# Allegro board 6089-103-RevA_73.brd (continued)
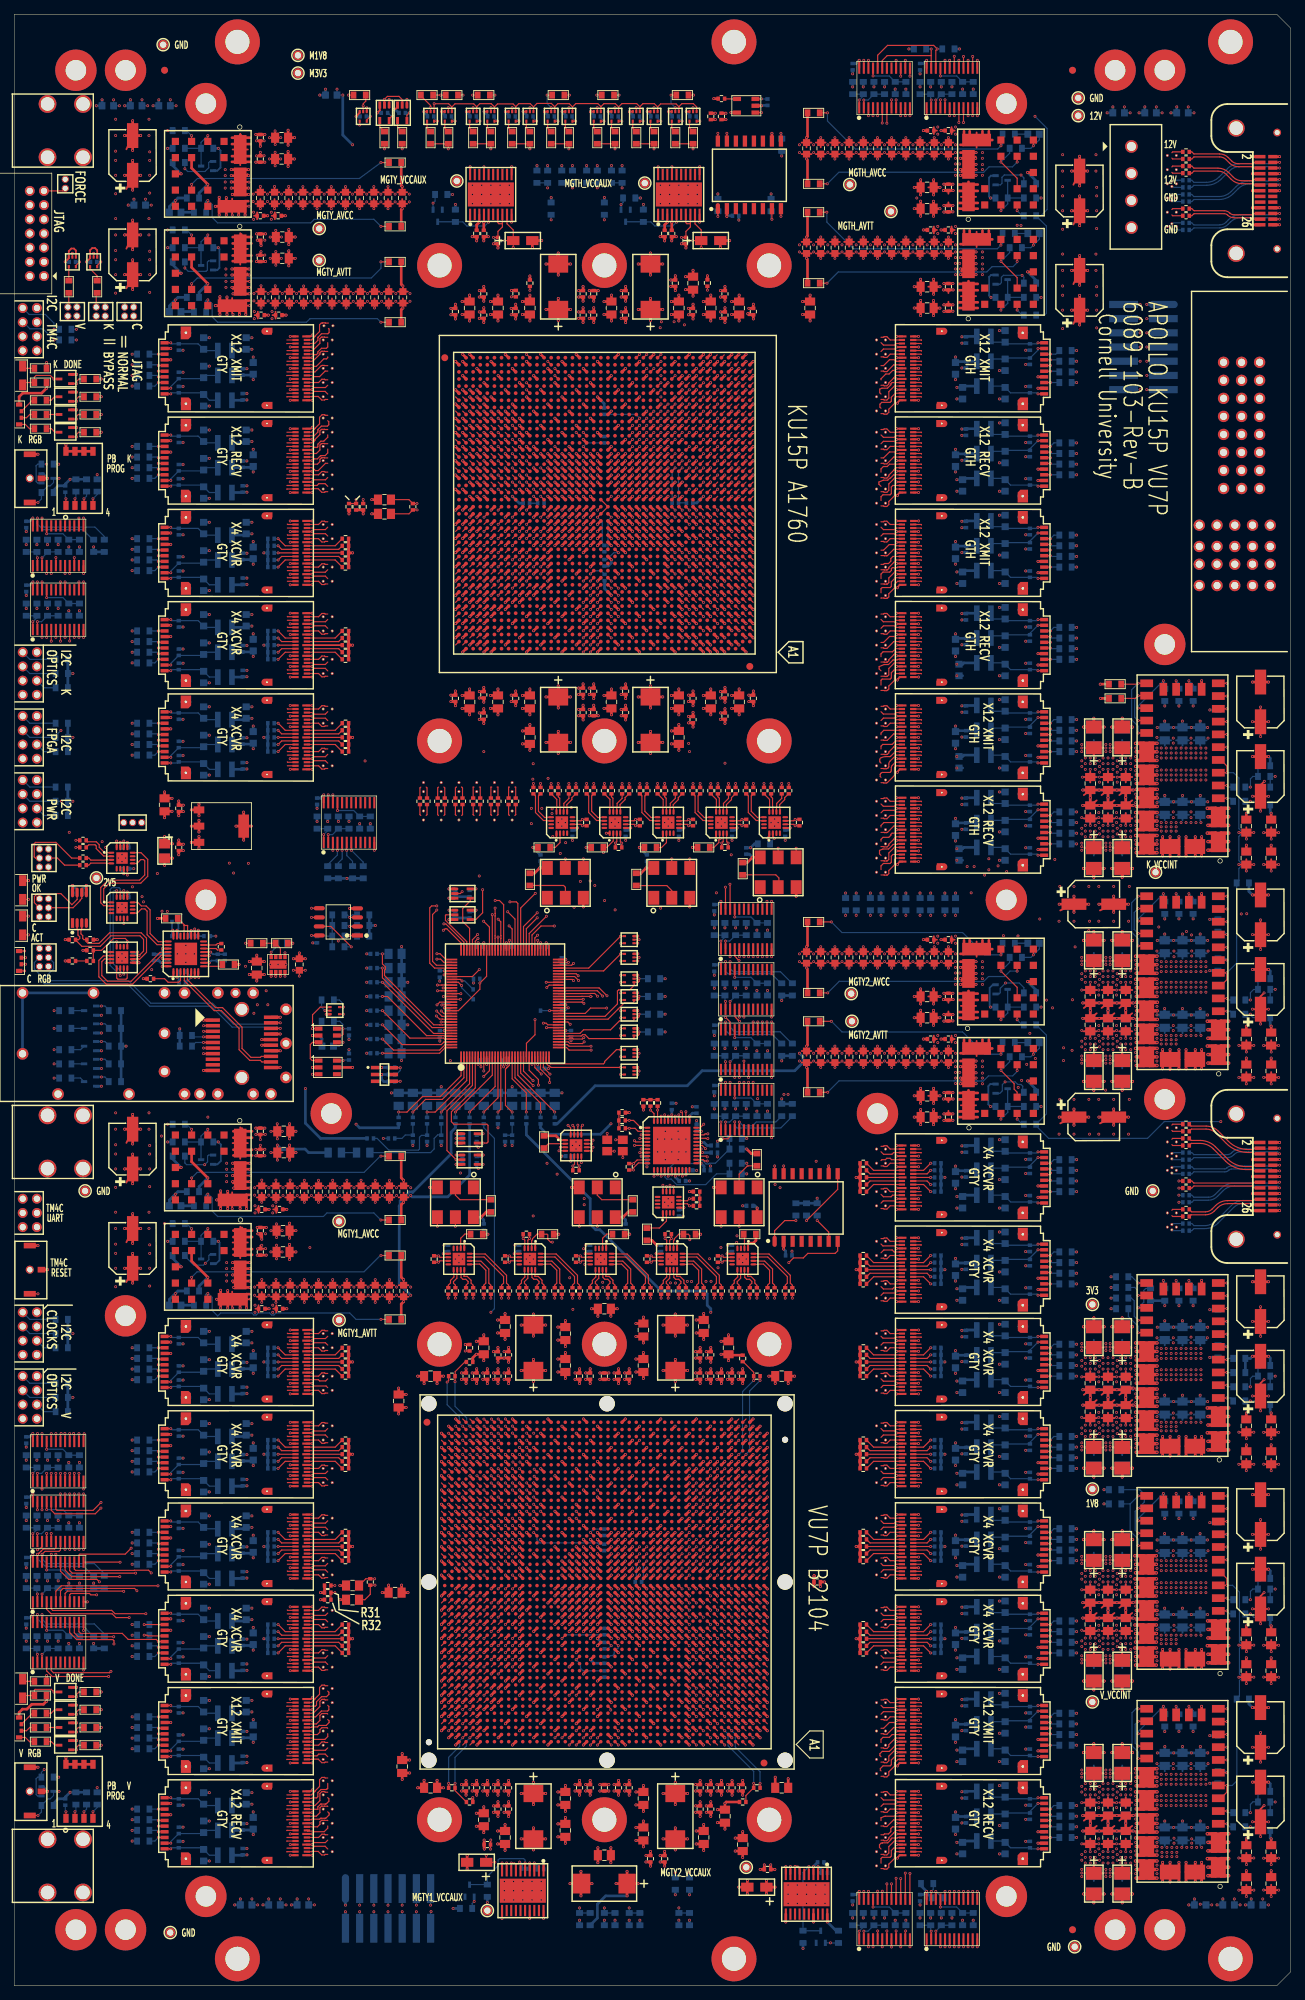
[diagram p0: board, top side]
## Routing (per net, layer and track width the routed paths; a pad name or vN(x,y) marks a point on that pad's centre or on a via; arc(x,y) is an arc through that point) (continued)
162.56,256.28 ; VA138.4 162.38,255.49 ; VA8.4 45.16,216.58 ; VA8.4 45.16,217.22 ; VA8.4 44.84,217.28 ; VA8.4 45.22,216.9 ; VA8.4 45.02,217.31 ; VA8.4 45.25,217.09 ; VA8.4 45.25,216.71 ; VA8.4 44.84,216.52 ; 43.15,219.09 43.56,218.9 ; 43.56,218.9 43.15,218.71 ; 43.56,218.9 43.38,218.49 ; 43.56,218.9 43.56,219.28 ; 43.56,218.9 43.18,218.9 ; 43.56,218.9 43.56,218.52 ; 43.56,218.9 43.24,219.22 ; 43.56,218.9 43.24,218.58 ; 122.83,216.52 VA72.3 ; VA72.3 123.16,217.22 ; VA72.3 123.16,216.58 ; VA72.3 123.02,217.31 ; VA72.3 123.22,216.9 ; VA72.3 122.83,217.28 ; VA72.3 123.25,216.71 ; VA72.3 123.25,217.09 ; 163.84,120.9 164.25,121.09 ; 163.84,120.9 164.16,120.58 ; 163.84,120.9 164.22,120.9 ; 163.84,120.9 164.16,121.22 ; 163.84,120.9 164.25,120.71 ; 163.84,120.9 163.84,121.28 ; 163.84,120.9 163.84,120.52 ; 163.84,120.9 164.02,121.31 ; U13.22 34.69,139.9 ; U13.22 33.69,138.9 ; U13.22 34.45,140.66 ; U13.22 34.45,139.14 ; U13.22 32.69,139.9 ; U13.22 32.93,139.14 ; U13.22 33.69,140.9 ; U13.22 32.93,140.66 ; VA102.3 121.56,116.28 ; VA102.3 121.24,115.58 ; VA102.3 121.24,116.22 ; VA102.3 121.38,115.49 ; VA102.3 121.18,115.9 ; VA102.3 121.15,115.71 ; VA102.3 121.15,116.09 ; VA102.3 121.56,115.52 ; 162.24,248.22 VA142.4 ; VA142.4 162.15,247.71 ; VA142.4 162.24,247.58 ; VA142.4 162.56,247.52 ; VA142.4 162.56,248.28 ; VA142.4 162.38,247.49 ; VA142.4 162.18,247.9 ; VA142.4 162.15,248.09 ; VA130.4 121.56,30.28 ; VA130.4 121.24,30.22 ; VA130.4 121.38,29.49 ; VA130.4 121.24,29.58 ; VA130.4 121.15,30.09 ; VA130.4 121.56,29.52 ; VA130.4 121.18,29.9 ; VA130.4 121.15,29.71 ; 162.15,117.09 VA145.4 ; VA145.4 162.24,116.58 ; VA145.4 162.24,117.22 ; VA145.4 162.56,116.52 ; VA145.4 162.18,116.9 ; VA145.4 162.15,116.71 ; VA145.4 162.38,116.49 ; VA145.4 162.56,117.28 ; VA65.3 123.25,231.71 ; VA65.3 123.25,232.09 ; VA65.3 122.83,231.52 ; VA65.3 122.83,232.28 ; VA65.3 123.16,232.22 ; VA65.3 123.02,232.31 ; VA65.3 123.22,231.9 ; VA65.3 123.16,231.58 ; 38.31,131.78 U13.24 ; U13.24 39.07,132.03 ; U13.24 39.07,133.55 ; U13.24 38.31,133.79 ; U13.24 37.31,132.79 ; U13.24 37.55,133.55 ; U13.24 37.55,132.03 ; U13.24 39.32,132.79 ; 142.19,169.96 U108.G1 ; U108.G1 141.47,171.62 ; U108.G1 141.47,170.18 ; U108.G1 142.19,171.84 ; U108.G1 141.79,169.97 ; U108.G1 142.91,170.18 ; U108.G1 141.25,170.9 ; U108.G1 142.91,171.62 ; VA125.3 123.25,40.09 ; VA125.3 122.83,39.52 ; VA125.3 123.22,39.9 ; VA125.3 123.16,40.22 ; VA125.3 122.83,40.28 ; VA125.3 123.16,39.58 ; VA125.3 123.02,40.31 ; VA125.3 123.25,39.71 ; 172.29,228.01 P1.16 ; P1.16 173.77,229.49 ; P1.16 173.77,228.01 ; P1.16 172.29,229.49 ; P1.16 172.05,228.75 ; P1.16 173.03,227.77 ; P1.16 174.01,228.75 ; P1.16 173.03,229.73 ; 43.56,83.9 43.56,84.28 ; 43.56,83.9 43.15,84.09 ; 43.56,83.9 43.15,83.71 ; 43.56,83.9 43.24,83.58 ; 43.56,83.9 43.38,83.49 ; 43.56,83.9 43.18,83.9 ; 43.56,83.9 43.56,83.52 ; 43.56,83.9 43.24,84.22 ; 121.15,21.09 VA134.4 ; VA134.4 121.18,20.9 ; VA134.4 121.38,20.49 ; VA134.4 121.24,20.58 ; VA134.4 121.56,21.28 ; VA134.4 121.56,20.52 ; VA134.4 121.15,20.71 ; VA134.4 121.24,21.22 ; U26.G2 25.15,69.9 ; U26.G2 23.49,69.18 ; U26.G2 24.21,70.84 ; U26.G2 23.49,70.62 ; U26.G2 23.81,68.97 ; U26.G2 24.93,69.18 ; U26.G2 24.21,68.96 ; U26.G2 24.93,70.62 ; 20.52,140.57 U13.38 ; U13.38 21.19,140.78 ; U13.38 20.32,139.9 ; U13.38 21.86,140.57 ; U13.38 21.19,139.02 ; U13.38 20.52,139.23 ; U13.38 22.07,139.9 ; U13.38 21.86,139.23 ; 121.24,198.22 VA81.4 ; VA81.4 121.15,198.09 ; VA81.4 121.56,197.52 ; VA81.4 121.18,197.9 ; VA81.4 121.24,197.58 ; VA81.4 121.56,198.28 ; VA81.4 121.38,197.49 ; VA81.4 121.15,197.71 ; 142.19,68.96 U113.G1 ; U113.G1 142.91,70.62 ; U113.G1 142.91,69.18 ; U113.G1 142.19,70.84 ; U113.G1 141.79,68.97 ; U113.G1 141.47,70.62 ; U113.G1 141.25,69.9 ; U113.G1 141.47,69.18 ; 163.84,257.9 164.25,258.09 ; 163.84,257.9 164.25,257.71 ; 163.84,257.9 164.16,258.22 ; 163.84,257.9 164.16,257.58 ; 163.84,257.9 163.84,257.52 ; 163.84,257.9 164.22,257.9 ; 163.84,257.9 164.02,258.31 ; 163.84,257.9 163.84,258.28 ; VA81.3 123.22,197.9 ; VA81.3 123.16,197.58 ; VA81.3 122.83,197.52 ; VA81.3 122.83,198.28 ; VA81.3 123.02,198.31 ; VA81.3 123.25,197.71 ; VA81.3 123.25,198.09 ; VA81.3 123.16,198.22 ; 27.71,125.65 U13.28 ; U13.28 27.95,124.89 ; U13.28 27.95,126.41 ; U13.28 28.71,126.65 ; U13.28 29.47,124.89 ; U13.28 28.71,124.65 ; U13.28 29.71,125.65 ; U13.28 29.47,126.41 ; 122.83,229.52 VA66.3 ; VA66.3 123.25,230.09 ; VA66.3 123.16,229.58 ; VA66.3 122.83,230.28 ; VA66.3 123.25,229.71 ; VA66.3 123.16,230.22 ; VA66.3 123.22,229.9 ; VA66.3 123.02,230.31 ; VA74.3 123.16,212.58 ; VA74.3 123.25,213.09 ; VA74.3 123.02,213.31 ; VA74.3 122.83,213.28 ; VA74.3 123.16,213.22 ; VA74.3 122.83,212.52 ; VA74.3 123.22,212.9 ; VA74.3 123.25,212.71 ; 163.84,118.9 164.25,119.09 ; 163.84,118.9 164.02,119.31 ; 163.84,118.9 163.84,118.52 ; 163.84,118.9 163.84,119.28 ; 163.84,118.9 164.16,118.58 ; 163.84,118.9 164.22,118.9 ; 163.84,118.9 164.16,119.22 ; 163.84,118.9 164.25,118.71 ; 43.34,233.58 VA52.3 ; VA52.3 43.66,233.52 ; VA52.3 43.28,233.9 ; VA52.3 43.25,233.71 ; VA52.3 43.34,234.22 ; VA52.3 43.48,233.49 ; VA52.3 43.66,234.28 ; VA52.3 43.25,234.09 ; 163.84,116.52 163.84,116.9 ; 163.84,116.9 164.22,116.9 ; 163.84,116.9 164.02,117.31 ; 163.84,116.9 164.16,117.22 ; 163.84,116.9 164.25,117.09 ; 163.84,116.9 164.25,116.71 ; 163.84,116.9 163.84,117.28 ; 163.84,116.9 164.16,116.58 ; 64.79,169.72 VA59.4 ; VA59.4 65.2,169.92 ; VA59.4 64.82,169.53 ; VA59.4 65.61,169.72 ; VA59.4 65.39,169.95 ; VA59.4 64.88,169.86 ; VA59.4 65.58,169.53 ; VA59.4 65.52,169.86 ; 121.15,86.09 VA111.4 ; VA111.4 121.18,85.9 ; VA111.4 121.24,86.22 ; VA111.4 121.56,85.52 ; VA111.4 121.24,85.58 ; VA111.4 121.56,86.28 ; VA111.4 121.15,85.71 ; VA111.4 121.38,85.49 ; 23.49,27.18 U30.G1 ; U30.G1 25.15,27.9 ; U30.G1 23.81,26.97 ; U30.G1 24.21,28.84 ; U30.G1 23.49,28.62 ; U30.G1 24.93,27.18 ; U30.G1 24.93,28.62 ; U30.G1 24.21,26.96 ; 2.53,173.57 J4.8 ; J4.8 3.87,173.57 ; J4.8 4.08,172.9 ; J4.8 3.87,172.23 ; J4.8 3.2,173.78 ; J4.8 3.2,172.02 ; J4.8 2.53,172.23 ; J4.8 2.32,172.9 ; 121.18,188.9 VA85.4 ; VA85.4 121.56,188.52 ; VA85.4 121.15,189.09 ; VA85.4 121.24,188.58 ; VA85.4 121.38,188.49 ; VA85.4 121.15,188.71 ; VA85.4 121.24,189.22 ; VA85.4 121.56,189.28 ; VA91.3 123.16,175.58 ; VA91.3 122.83,176.28 ; VA91.3 123.25,175.71 ; VA91.3 123.25,176.09 ; VA91.3 123.22,175.9 ; VA91.3 122.83,175.52 ; VA91.3 123.02,176.31 ; VA91.3 123.16,176.22 ; J2.7 2.08,230.4 ; J2.7 1.58,231.27 ; J2.7 1.2,229.52 ; J2.7 1.2,231.28 ; J2.7 2.07,230.78 ; J2.7 2.07,230.02 ; J2.7 1.87,231.07 ; J2.7 1.87,229.73 ; VA4.4 45.25,225.71 ; VA4.4 44.84,225.52 ; VA4.4 45.25,226.09 ; VA4.4 45.02,226.31 ; VA4.4 45.22,225.9 ; VA4.4 44.84,226.28 ; VA4.4 45.16,225.58 ; VA4.4 45.16,226.22 ; 69.88,167.94 70.2,168.26 ; 70.2,168.26 70.01,167.85 ; 70.2,168.26 70.58,168.26 ; 70.2,168.26 70.61,168.08 ; 70.2,168.26 70.2,167.88 ; 70.2,168.26 69.82,168.26 ; 70.2,168.26 69.79,168.08 ; 70.2,168.26 70.52,167.94 ; VA32.4 45.25,66.09 ; VA32.4 45.02,66.31 ; VA32.4 44.84,65.52 ; VA32.4 45.16,65.58 ; VA32.4 45.25,65.71 ; VA32.4 45.22,65.9 ; VA32.4 44.84,66.28 ; VA32.4 45.16,66.22 ; 163.84,108.9 163.84,109.28 ; 163.84,108.9 164.22,108.9 ; 163.84,108.9 164.16,109.22 ; 163.84,108.9 164.16,108.58 ; 163.84,108.9 163.84,108.52 ; 163.84,108.9 164.02,109.31 ; 163.84,108.9 164.25,108.71 ; 163.84,108.9 164.25,109.09 ; 43.56,192.9 43.56,193.28 ; 43.56,192.9 43.15,192.71 ; 43.56,192.9 43.24,193.22 ; 43.56,192.9 43.56,192.52 ; 43.56,192.9 43.24,192.58 ; 43.56,192.9 43.38,192.49 ; 43.56,192.9 43.18,192.9 ; 43.56,192.9 43.15,193.09 ; 141.47,40.18 U116.G2 ; U116.G2 142.91,41.62 ; U116.G2 142.19,39.96 ; U116.G2 141.25,40.9 ; U116.G2 142.91,40.18 ; U116.G2 141.47,41.62 ; U116.G2 142.19,41.84 ; U116.G2 141.79,39.97 ; 43.38,216.49 43.56,216.9 ; 43.56,216.9 43.56,216.52 ; 43.56,216.9 43.15,216.71 ; 43.56,216.9 43.18,216.9 ; 43.56,216.9 43.24,216.58 ; 43.56,216.9 43.15,217.09 ; 43.56,216.9 43.56,217.28 ; 43.56,216.9 43.24,217.22 ; 142.19,104.96 U111.G2 ; U111.G2 141.47,105.18 ; U111.G2 142.91,105.18 ; U111.G2 141.79,104.97 ; U111.G2 142.91,106.62 ; U111.G2 142.19,106.84 ; U111.G2 141.47,106.62 ; U111.G2 141.25,105.9 ; VA118.4 122.83,64.28 ; VA118.4 123.25,63.71 ; VA118.4 123.02,64.31 ; VA118.4 123.25,64.09 ; VA118.4 123.16,63.58 ; VA118.4 123.16,64.22 ; VA118.4 123.22,63.9 ; VA118.4 122.83,63.52 ; 122.83,173.52 VA92.3 ; VA92.3 123.16,173.58 ; VA92.3 123.25,173.71 ; VA92.3 122.83,174.28 ; VA92.3 123.25,174.09 ; VA92.3 123.16,174.22 ; VA92.3 123.02,174.31 ; VA92.3 123.22,173.9 ; 121.18,91.9 VA109.3 ; VA109.3 121.15,91.71 ; VA109.3 121.15,92.09 ; VA109.3 121.56,91.52 ; VA109.3 121.56,92.28 ; VA109.3 121.38,91.49 ; VA109.3 121.24,91.58 ; VA109.3 121.24,92.22 ; PM24.1 161.17,111.33 ; PM24.1 161.38,112 ; PM24.1 160.5,111.12 ; PM24.1 159.62,112 ; PM24.1 159.83,112.67 ; PM24.1 161.17,112.67 ; PM24.1 160.5,112.88 ; PM24.1 159.83,111.33 ; 121.56,175.52 VA91.4 ; VA91.4 121.15,176.09 ; VA91.4 121.24,176.22 ; VA91.4 121.56,176.28 ; VA91.4 121.38,175.49 ; VA91.4 121.18,175.9 ; VA91.4 121.15,175.71 ; VA91.4 121.24,175.58 ; 121.15,60.09 VA119.4 ; VA119.4 121.15,59.71 ; VA119.4 121.56,59.52 ; VA119.4 121.24,60.22 ; VA119.4 121.38,59.49 ; VA119.4 121.18,59.9 ; VA119.4 121.24,59.58 ; VA119.4 121.56,60.28 ; 20.52,128.16 U13.37 ; U13.37 21.86,129.5 ; U13.37 20.52,129.5 ; U13.37 20.32,128.83 ; U13.37 22.07,128.83 ; U13.37 21.86,128.16 ; U13.37 21.19,127.95 ; U13.37 21.19,129.7 ; VA3.4 45.25,227.71 ; VA3.4 45.16,227.58 ; VA3.4 44.84,227.52 ; VA3.4 45.02,228.31 ; VA3.4 45.25,228.09 ; VA3.4 45.16,228.22 ; VA3.4 45.22,227.9 ; VA3.4 44.84,228.28 ; 43.38,223.49 43.56,223.9 ; 43.56,223.9 43.56,224.28 ; 43.56,223.9 43.24,223.58 ; 43.56,223.9 43.24,224.22 ; 43.56,223.9 43.15,224.09 ; 43.56,223.9 43.15,223.71 ; 43.56,223.9 43.18,223.9 ; 43.56,223.9 43.56,223.52 ; 43.18,18.9 43.56,18.9 ; 43.56,18.9 43.56,19.28 ; 43.56,18.9 43.15,19.09 ; 43.56,18.9 43.15,18.71 ; 43.56,18.9 43.56,18.52 ; 43.56,18.9 43.24,19.22 ; 43.56,18.9 43.24,18.58 ; 43.56,18.9 43.38,18.49 ; 64.82,165.53 VA60.4 ; VA60.4 65.61,165.72 ; VA60.4 65.39,165.95 ; VA60.4 65.2,165.92 ; VA60.4 65.58,165.53 ; VA60.4 65.52,165.86 ; VA60.4 64.79,165.72 ; VA60.4 64.88,165.86 ; 141.47,67.62 U114.G2 ; U114.G2 142.19,67.84 ; U114.G2 141.79,65.97 ; U114.G2 142.91,67.62 ; U114.G2 141.47,66.18 ; U114.G2 142.19,65.96 ; U114.G2 142.91,66.18 ; U114.G2 141.25,66.9 ; 121.15,182.71 VA88.4 ; VA88.4 121.38,182.49 ; VA88.4 121.15,183.09 ; VA88.4 121.56,183.28 ; VA88.4 121.24,183.22 ; VA88.4 121.24,182.58 ; VA88.4 121.18,182.9 ; VA88.4 121.56,182.52 ; 121.24,215.22 VA73.4 ; VA73.4 121.24,214.58 ; VA73.4 121.38,214.49 ; VA73.4 121.18,214.9 ; VA73.4 121.56,214.52 ; VA73.4 121.56,215.28 ; VA73.4 121.15,214.71 ; VA73.4 121.15,215.09 ; 141.25,79.9 U113.G2 ; U113.G2 142.91,79.18 ; U113.G2 142.19,78.96 ; U113.G2 141.79,78.97 ; U113.G2 142.91,80.62 ; U113.G2 141.47,79.18 ; U113.G2 141.47,80.62 ; U113.G2 142.19,80.84 ; 121.24,199.58 VA80.4 ; VA80.4 121.24,200.22 ; VA80.4 121.15,199.71 ; VA80.4 121.15,200.09 ; VA80.4 121.56,199.52 ; VA80.4 121.18,199.9 ; VA80.4 121.38,199.49 ; VA80.4 121.56,200.28 ; 121.24,192.58 VA83.4 ; VA83.4 121.56,193.28 ; VA83.4 121.56,192.52 ; VA83.4 121.15,193.09 ; VA83.4 121.24,193.22 ; VA83.4 121.38,192.49 ; VA83.4 121.18,192.9 ; VA83.4 121.15,192.71 ; 27.95,139.14 U13.40 ; U13.40 29.47,140.66 ; U13.40 27.95,140.66 ; U13.40 29.47,139.14 ; U13.40 28.71,138.9 ; U13.40 28.71,140.9 ; U13.40 27.71,139.9 ; U13.40 29.71,139.9 ; 43.38,59.49 43.56,59.9 ; 43.56,59.9 43.15,59.71 ; 43.56,59.9 43.24,59.58 ; 43.56,59.9 43.56,60.28 ; 43.56,59.9 43.15,60.09 ; 43.56,59.9 43.24,60.22 ; 43.56,59.9 43.18,59.9 ; 43.56,59.9 43.56,59.52 ; P1.P2-8 170.31,205.06 ; P1.P2-8 170.55,205.8 ; P1.P2-8 170.31,206.54 ; P1.P2-8 168.83,206.54 ; P1.P2-8 168.59,205.8 ; P1.P2-8 169.57,204.82 ; P1.P2-8 168.83,205.06 ; P1.P2-8 169.57,206.78 ; VA45.4 45.02,32.31 ; VA45.4 45.25,32.09 ; VA45.4 45.16,31.58 ; VA45.4 45.25,31.71 ; VA45.4 44.84,31.52 ; VA45.4 45.16,32.22 ; VA45.4 44.84,32.28 ; VA45.4 45.22,31.9 ; 121.38,104.49 VA105.3 ; VA105.3 121.18,104.9 ; VA105.3 121.15,105.09 ; VA105.3 121.56,105.28 ; VA105.3 121.56,104.52 ; VA105.3 121.24,104.58 ; VA105.3 121.24,105.22 ; VA105.3 121.15,104.71 ; 43.18,63.9 43.56,63.9 ; 43.56,63.9 43.15,63.71 ; 43.56,63.9 43.15,64.09 ; 43.56,63.9 43.38,63.49 ; 43.56,63.9 43.56,64.28 ; 43.56,63.9 43.24,64.22 ; 43.56,63.9 43.56,63.52 ; 43.56,63.9 43.24,63.58 ; VA48.4 45.22,24.9 ; VA48.4 45.02,25.31 ; VA48.4 44.84,24.52 ; VA48.4 44.84,25.28 ; VA48.4 45.25,25.09 ; VA48.4 45.25,24.71 ; VA48.4 45.16,25.22 ; VA48.4 45.16,24.58 ; VA115.3 123.16,73.22 ; VA115.3 123.22,72.9 ; VA115.3 123.25,72.71 ; VA115.3 122.83,73.28 ; VA115.3 123.25,73.09 ; VA115.3 123.02,73.31 ; VA115.3 122.83,72.52 ; VA115.3 123.16,72.58 ; 172.05,216.05 P1.11 ; P1.11 173.77,216.79 ; P1.11 173.03,217.03 ; P1.11 172.29,216.79 ; P1.11 172.29,215.31 ; P1.11 173.03,215.07 ; P1.11 173.77,215.31 ; P1.11 174.01,216.05 ; VA23.3 45.02,172.31 ; VA23.3 45.25,171.71 ; VA23.3 44.84,172.28 ; VA23.3 45.22,171.9 ; VA23.3 45.16,172.22 ; VA23.3 44.84,171.52 ; VA23.3 45.25,172.09 ; VA23.3 45.16,171.58 ; VA93.3 123.16,172.22 ; VA93.3 123.16,171.58 ; VA93.3 123.25,172.09 ; VA93.3 123.22,171.9 ; VA93.3 122.83,171.52 ; VA93.3 122.83,172.28 ; VA93.3 123.25,171.71 ; VA93.3 123.02,172.31 ; 121.15,172.09 VA93.4 ; VA93.4 121.56,171.52 ; VA93.4 121.15,171.71 ; VA93.4 121.24,171.58 ; VA93.4 121.24,172.22 ; VA93.4 121.18,171.9 ; VA93.4 121.56,172.28 ; VA93.4 121.38,171.49 ; 141.47,207.62 U106.G2 ; U106.G2 142.91,207.62 ; U106.G2 141.25,206.9 ; U106.G2 141.47,206.18 ; U106.G2 142.19,207.84 ; U106.G2 141.79,205.97 ; U106.G2 142.19,205.96 ; U106.G2 142.91,206.18 ; 38.31,136.59 U13.23 ; U13.23 39.32,137.59 ; U13.23 37.55,138.35 ; U13.23 39.07,138.35 ; U13.23 38.31,138.59 ; U13.23 37.55,136.83 ; U13.23 37.31,137.59 ; U13.23 39.07,136.83 ; 65.2,164.26 65.61,164.08 ; 65.2,164.26 64.79,164.08 ; 65.2,164.26 65.01,163.85 ; 65.2,164.26 65.52,163.94 ; 65.2,164.26 64.88,163.94 ; 65.2,164.26 65.2,163.88 ; 65.2,164.26 64.82,164.26 ; 65.2,164.26 65.58,164.26 ; VA106.4 122.83,103.28 ; VA106.4 123.25,102.71 ; VA106.4 123.16,102.58 ; VA106.4 123.02,103.31 ; VA106.4 123.16,103.22 ; VA106.4 123.22,102.9 ; VA106.4 122.83,102.52 ; VA106.4 123.25,103.09 ; 121.24,58.22 VA120.4 ; VA120.4 121.38,57.49 ; VA120.4 121.56,58.28 ; VA120.4 121.15,57.71 ; VA120.4 121.56,57.52 ; VA120.4 121.15,58.09 ; VA120.4 121.18,57.9 ; VA120.4 121.24,57.58 ; VA33.4 45.16,64.22 ; VA33.4 44.84,64.28 ; VA33.4 45.25,64.09 ; VA33.4 45.16,63.58 ; VA33.4 45.22,63.9 ; VA33.4 44.84,63.52 ; VA33.4 45.25,63.71 ; VA33.4 45.02,64.31 ; 121.15,184.71 VA87.4 ; VA87.4 121.56,185.28 ; VA87.4 121.24,184.58 ; VA87.4 121.38,184.49 ; VA87.4 121.15,185.09 ; VA87.4 121.18,184.9 ; VA87.4 121.56,184.52 ; VA87.4 121.24,185.22 ; VA127.4 121.56,36.28 ; VA127.4 121.24,36.22 ; VA127.4 121.38,35.49 ; VA127.4 121.15,36.09 ; VA127.4 121.56,35.52 ; VA127.4 121.18,35.9 ; VA127.4 121.24,35.58 ; VA127.4 121.15,35.71 ; 162.15,250.09 VA141.4 ; VA141.4 162.18,249.9 ; VA141.4 162.38,249.49 ; VA141.4 162.24,250.22 ; VA141.4 162.24,249.58 ; VA141.4 162.56,249.52 ; VA141.4 162.15,249.71 ; VA141.4 162.56,250.28 ; 121.24,224.22 VA69.4 ; VA69.4 121.15,223.71 ; VA69.4 121.18,223.9 ; VA69.4 121.56,224.28 ; VA69.4 121.15,224.09 ; VA69.4 121.56,223.52 ; VA69.4 121.24,223.58 ; VA69.4 121.38,223.49 ; 141.79,231.97 U104.G2 ; U104.G2 142.91,232.18 ; U104.G2 141.25,232.9 ; U104.G2 141.47,232.18 ; U104.G2 141.47,233.62 ; U104.G2 142.19,231.96 ; U104.G2 142.19,233.84 ; U104.G2 142.91,233.62 ; U13.30 24.01,126.65 ; U13.30 24.77,126.41 ; U13.30 23.01,125.65 ; U13.30 24.77,124.89 ; U13.30 25.02,125.65 ; U13.30 23.25,126.41 ; U13.30 24.01,124.65 ; U13.30 23.25,124.89 ; VA28.4 45.16,79.22 ; VA28.4 45.16,78.58 ; VA28.4 45.25,78.71 ; VA28.4 44.84,79.28 ; VA28.4 44.84,78.52 ; VA28.4 45.22,78.9 ; VA28.4 45.02,79.31 ; VA28.4 45.25,79.09 ; 69.88,163.94 70.2,164.26 ; 70.2,164.26 70.2,163.88 ; 70.2,164.26 70.01,163.85 ; 70.2,164.26 70.58,164.26 ; 70.2,164.26 70.52,163.94 ; 70.2,164.26 69.82,164.26 ; 70.2,164.26 69.79,164.08 ; 70.2,164.26 70.61,164.08 ; 121.24,178.22 VA90.4 ; VA90.4 121.56,178.28 ; VA90.4 121.18,177.9 ; VA90.4 121.38,177.49 ; VA90.4 121.24,177.58 ; VA90.4 121.15,177.71 ; VA90.4 121.56,177.52 ; VA90.4 121.15,178.09 ; 174.57,204.82 P1.P2-4 ; P1.P2-4 173.83,205.06 ; P1.P2-4 174.57,206.78 ; P1.P2-4 175.31,206.54 ; P1.P2-4 175.55,205.8 ; P1.P2-4 173.83,206.54 ; P1.P2-4 175.31,205.06 ; P1.P2-4 173.59,205.8 ; 162.24,106.58 VA148.4 ; VA148.4 162.18,106.9 ; VA148.4 162.15,106.71 ; VA148.4 162.24,107.22 ; VA148.4 162.56,106.52 ; VA148.4 162.38,106.49 ; VA148.4 162.56,107.28 ; VA148.4 162.15,107.09 ; 23.49,197.62 U22.G2 ; U22.G2 25.15,196.9 ; U22.G2 23.81,195.97 ; U22.G2 24.93,197.62 ; U22.G2 23.49,196.18 ; U22.G2 24.93,196.18 ; U22.G2 24.21,197.84 ; U22.G2 24.21,195.96 ; VA1.4 45.16,232.22 ; VA1.4 45.25,231.71 ; VA1.4 45.25,232.09 ; VA1.4 44.84,232.28 ; VA1.4 45.02,232.31 ; VA1.4 44.84,231.52 ; VA1.4 45.22,231.9 ; VA1.4 45.16,231.58 ; 163.84,253.9 164.16,254.22 ; 163.84,253.9 164.22,253.9 ; 163.84,253.9 164.25,254.09 ; 163.84,253.9 163.84,253.52 ; 163.84,253.9 163.84,254.28 ; 163.84,253.9 164.25,253.71 ; 163.84,253.9 164.02,254.31 ; 163.84,253.9 164.16,253.58 ; 62.32,169.53 VA57.4 ; VA57.4 62.7,169.92 ; VA57.4 62.29,169.72 ; VA57.4 63.08,169.53 ; VA57.4 62.89,169.95 ; VA57.4 62.38,169.86 ; VA57.4 63.11,169.72 ; VA57.4 63.02,169.86 ; 173.03,220.15 P1.13 ; P1.13 172.29,221.87 ; P1.13 173.03,222.11 ; P1.13 173.77,221.87 ; P1.13 174.01,221.13 ; P1.13 172.29,220.39 ; P1.13 173.77,220.39 ; P1.13 172.05,221.13 ; J1.7 5.08,246.9 ; J1.7 4.2,247.78 ; J1.7 4.2,246.02 ; J1.7 3.53,246.23 ; J1.7 4.87,246.23 ; J1.7 3.53,247.57 ; J1.7 3.32,246.9 ; J1.7 4.87,247.57 ; 121.15,179.71 VA89.4 ; VA89.4 121.15,180.09 ; VA89.4 121.38,179.49 ; VA89.4 121.24,179.58 ; VA89.4 121.18,179.9 ; VA89.4 121.56,179.52 ; VA89.4 121.56,180.28 ; VA89.4 121.24,180.22 ; J1.1 5.08,240.9 ; J1.1 4.87,240.23 ; J1.1 4.2,240.02 ; J1.1 4.2,241.78 ; J1.1 3.53,241.57 ; J1.1 4.87,241.57 ; J1.1 3.53,240.23 ; J1.1 3.32,240.9 ; J7.7 1.2,89.78 ; J7.7 1.87,88.23 ; J7.7 1.2,88.02 ; J7.7 2.07,89.28 ; J7.7 2.08,88.9 ; J7.7 1.58,89.77 ; J7.7 2.07,88.52 ; J7.7 1.87,89.57 ; VA63.4 70.39,169.95 ; VA63.4 70.58,169.53 ; VA63.4 69.88,169.86 ; VA63.4 70.2,169.92 ; VA63.4 69.79,169.72 ; VA63.4 70.61,169.72 ; VA63.4 69.82,169.53 ; VA63.4 70.52,169.86 ; 121.38,173.49 VA92.4 ; VA92.4 121.18,173.9 ; VA92.4 121.24,174.22 ; VA92.4 121.15,174.09 ; VA92.4 121.56,173.52 ; VA92.4 121.56,174.28 ; VA92.4 121.24,173.58 ; VA92.4 121.15,173.71 ; 121.38,227.49 VA67.4 ; VA67.4 121.18,227.9 ; VA67.4 121.24,227.58 ; VA67.4 121.56,227.52 ; VA67.4 121.15,228.09 ; VA67.4 121.24,228.22 ; VA67.4 121.15,227.71 ; VA67.4 121.56,228.28 ; 162.18,118.9 VA144.4 ; VA144.4 162.56,119.28 ; VA144.4 162.15,118.71 ; VA144.4 162.15,119.09 ; VA144.4 162.38,118.49 ; VA144.4 162.24,118.58 ; VA144.4 162.24,119.22 ; VA144.4 162.56,118.52 ; U22.G1 24.93,206.18 ; U22.G1 25.15,206.9 ; U22.G1 23.49,207.62 ; U22.G1 24.21,205.96 ; U22.G1 23.81,205.97 ; U22.G1 24.21,207.84 ; U22.G1 24.93,207.62 ; U22.G1 23.49,206.18 ; 43.18,229.9 43.56,229.9 ; 43.56,229.9 43.56,229.52 ; 43.56,229.9 43.38,229.49 ; 43.56,229.9 43.15,229.71 ; 43.56,229.9 43.15,230.09 ; 43.56,229.9 43.24,229.58 ; 43.56,229.9 43.56,230.28 ; 43.56,229.9 43.24,230.22 ; 43.24,199.58 43.56,199.9 ; 43.56,199.9 43.15,200.09 ; 43.56,199.9 43.56,199.52 ; 43.56,199.9 43.56,200.28 ; 43.56,199.9 43.38,199.49 ; 43.56,199.9 43.18,199.9 ; 43.56,199.9 43.15,199.71 ; 43.56,199.9 43.24,200.22 ; U115.G1 142.19,44.84 ; U115.G1 141.47,43.18 ; U115.G1 142.91,43.18 ; U115.G1 142.19,42.96 ; U115.G1 141.47,44.62 ; U115.G1 141.25,43.9 ; U115.G1 141.79,42.97 ; U115.G1 142.91,44.62 ; VA56.4 60.58,165.53 ; VA56.4 60.52,165.86 ; VA56.4 60.61,165.72 ; VA56.4 59.82,165.53 ; VA56.4 60.39,165.95 ; VA56.4 59.88,165.86 ; VA56.4 59.79,165.72 ; VA56.4 60.2,165.92 ; 121.24,169.58 VA94.4 ; VA94.4 121.15,170.09 ; VA94.4 121.15,169.71 ; VA94.4 121.18,169.9 ; VA94.4 121.56,169.52 ; VA94.4 121.24,170.22 ; VA94.4 121.56,170.28 